# Altium PCB LORAGATEWAY.PcbDoc (part 1 of 2)
Units mil, origin at the board's own origin, x right, y up, seen from the top; angles counter-clockwise.
Board outline 3950 x 2560 mil, 2 copper layers (Top Layer, Bottom Layer); 59 components, 57 nets, 254 pads, 49 vias.
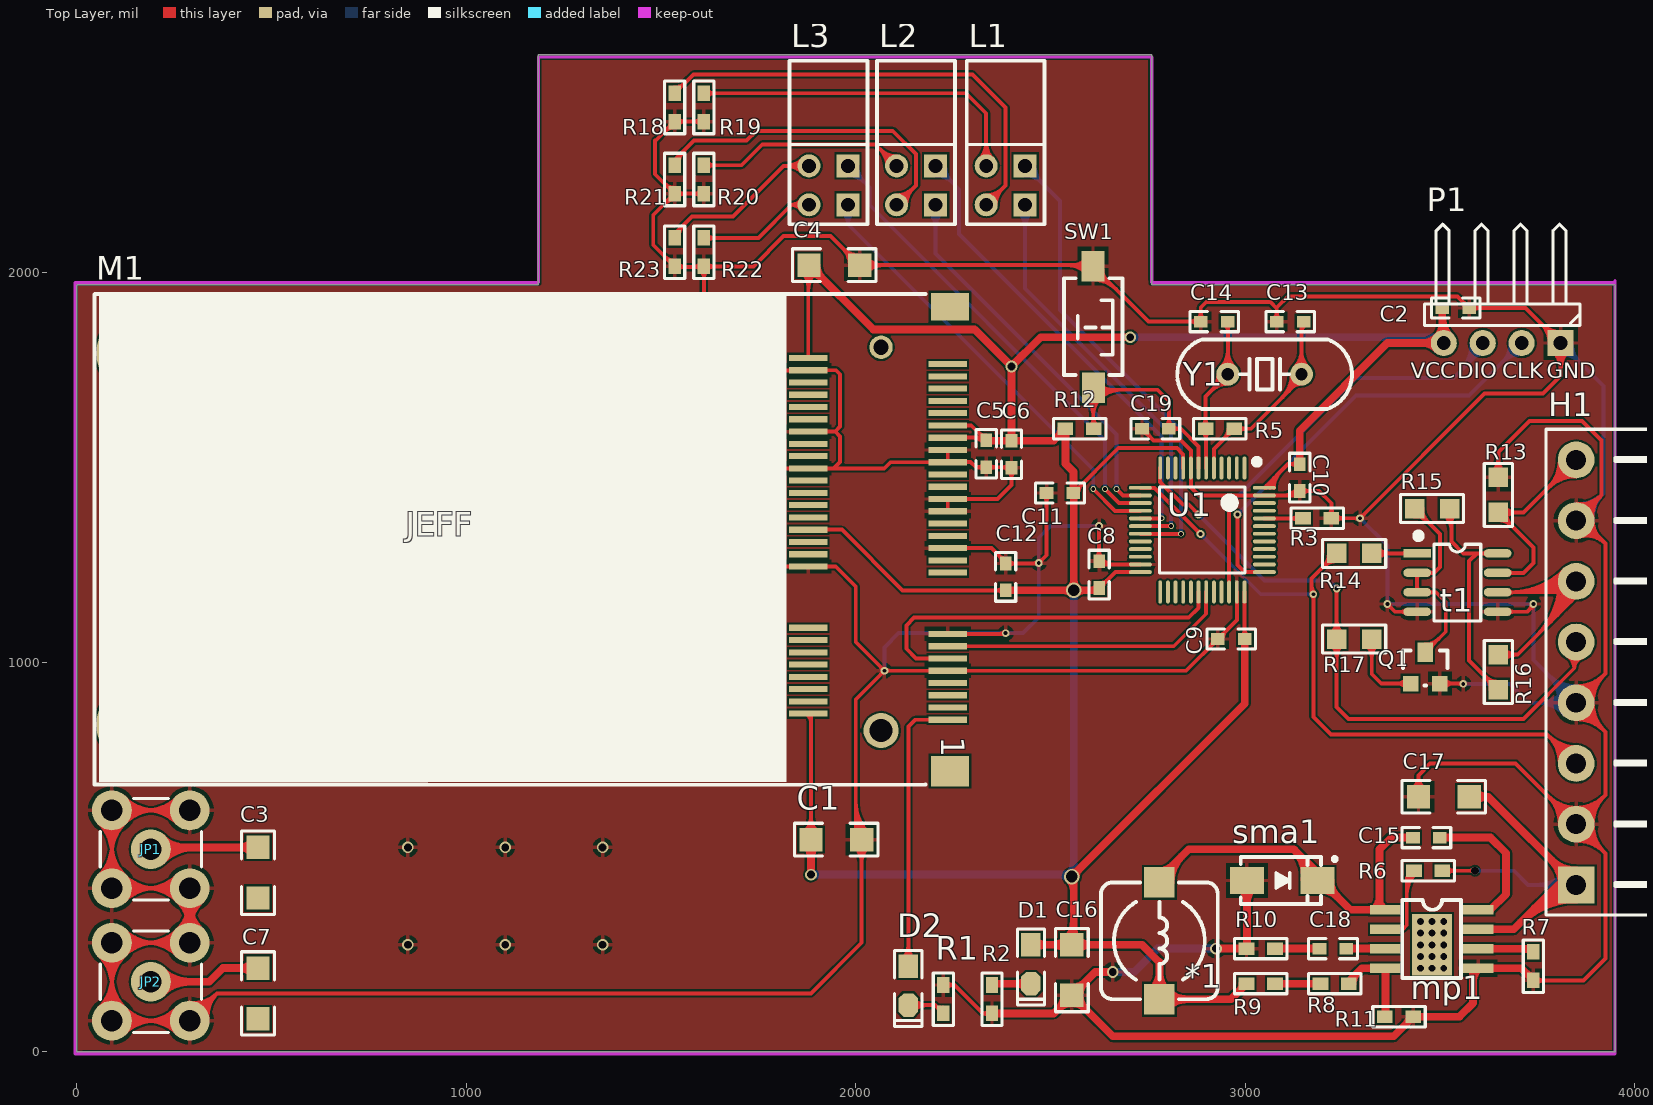
[diagram p0: Top Layer view]
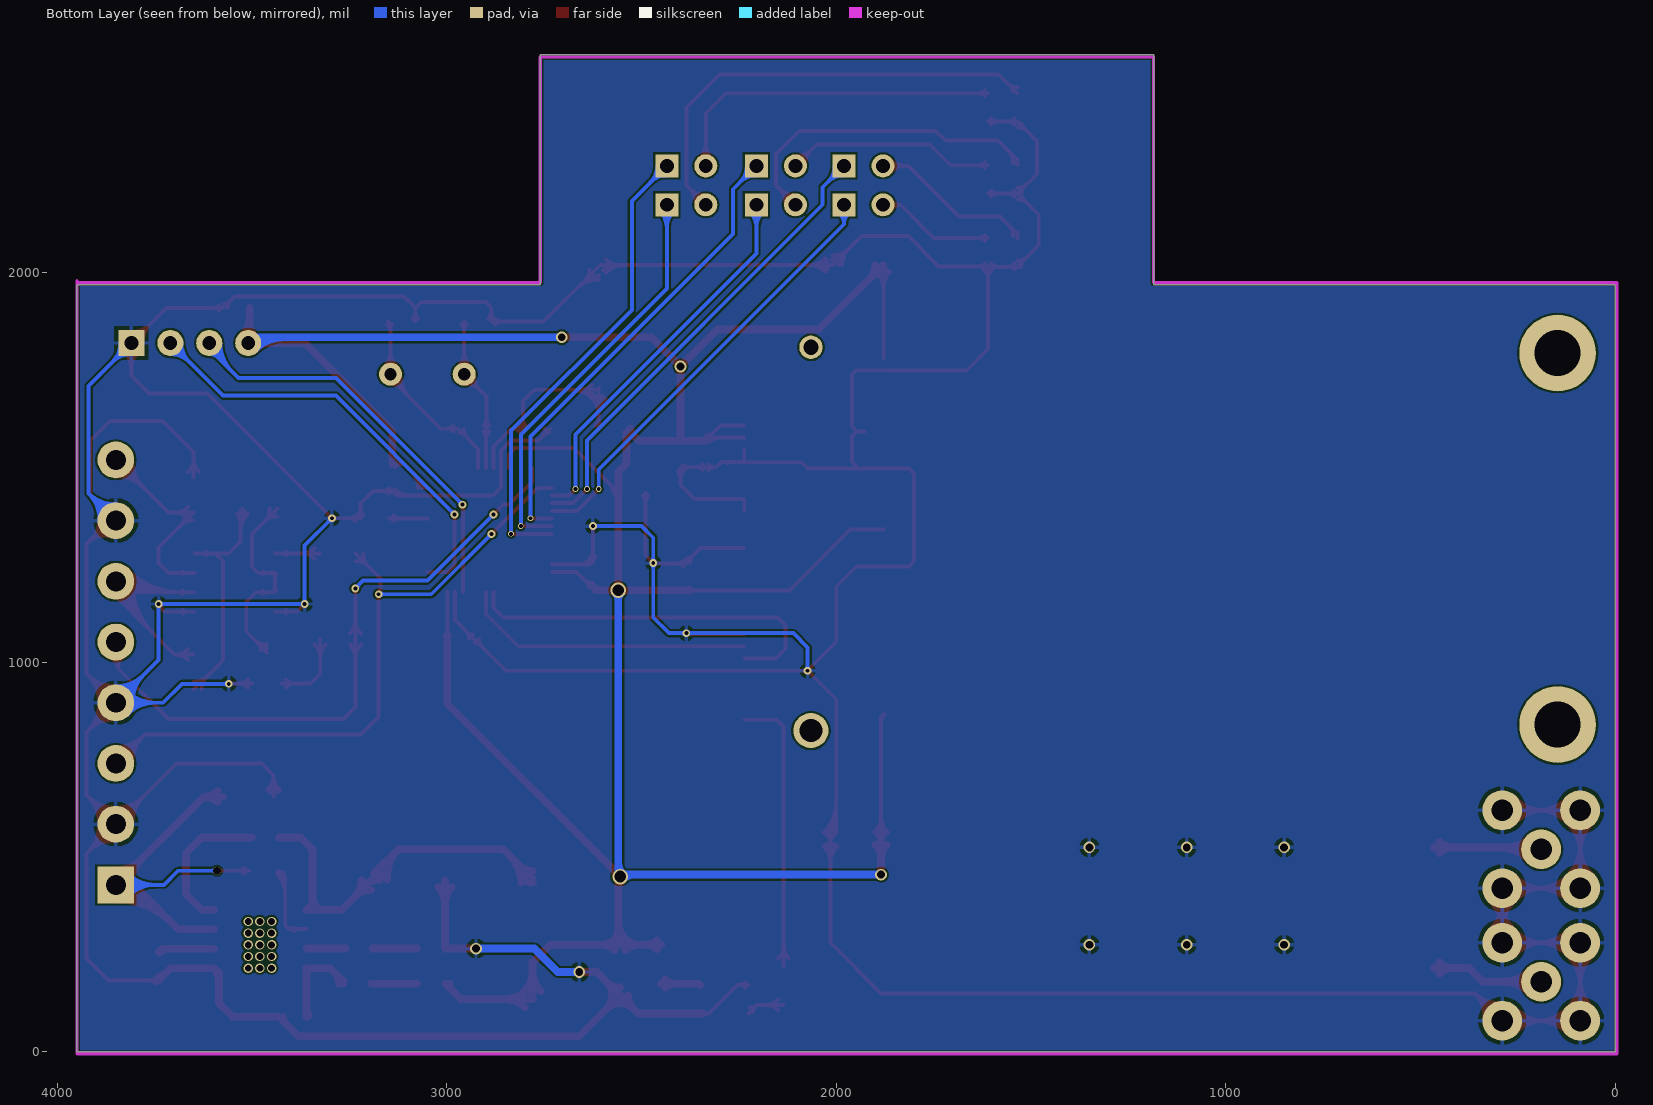
[diagram p1: Bottom Layer view, seen from below]

## Layer stack, top to bottom
Top Layer: signal copper 1.4
Dielectric: dielectric 12.6, FR-4, Dk 4.8
Bottom Layer: signal copper 1.4

## Board outline
0,0 0,1970 1185,1970 1185,2135 1185,2560 2760,2560 2760,1970 3950,1970 3950,0

## Design rules (kind name [scope] priority, off if disabled: settings)
Clearance [All] p1: gap=5
PolygonConnect [All] p1: connectstyle=Relief reliefconductorwidth=10 reliefentries=4 polygonreliefangle="90 Angle" airgapwidth=10
RoutingVias [All] p1: holewidth=28 width=50 viastyle="Through Hole" minholewidth=28 minwidth=50 maxholewidth=28 maxwidth=50
SolderMaskExpansion [All] p1: expansion=4
Width [All] p1: maxlimit=30 minlimit=10 preferedwidth=10
28 further rules are at their usual default settings.

## Components (designator, comment, footprint, x,y, rotation, side; value= is the part's Value field where it differs from the comment)
*1 "10uh" inductance 2790,295 r0 top
C1 "C 224" "C 1206" 1890,545 r90 top
C2 "104,0603" "C 0603" 3540,1910 r180 top
C3 "C 224" "C 1206" 465,400 r180 top
C4 "C 224" "C 1206" 2005,2020 r270 top
C5 "105,0603" "C 0603" 2335,1535 r270 top
C6 "105,0603" "C 0603" 2400,1535 r90 top
C7 "C 224" "C 1206" 465,90 r180 top
C8 "105,0603" "C 0603" 2625,1225 r270 top
C9 "105,0603" "C 0603" 2965,1060 r0 top
C10 "105,0603" "C 0603" 3140,1475 r90 top
C11 "105,0603" "C 0603" 2525,1435 r0 top
C12 "105,0603" "C 0603" 2385,1220 r90 top
C13 "22P,0603" "C 0603" 3115,1875 r180 top
C14 "22P,0603" "C 0603" 2920,1875 r180 top
C15 "C 103" "C 0603" 3465,550 r180 top
C16 "C 224" "C 1206" 2555,150 r180 top
C17 "C 224" "C 1206" 3570,655 r270 top
C18 "C 220pf" "C 0603" 3225,265 r180 top
C19 "105,0603" "C 0603" 2770,1600 r0 top
D1 "LED" "LED 0805G" 2450,225 r270 top
D2 "LED" "LED 0805G" 2135,170 r270 top
H1 "3.55_8" Header_8p 3850,1520 r0 top
JP1 "SMA天线接口" SMA-KE-LI 190,520 r90 top
JP2 "SMA天线接口" SMA-KE-LI 190,180 r90 top
L1 "2led" LED2 2435,2175 r180 top
L2 "2led" LED2 2205,2175 r180 top
L3 "2led" LED2 1980,2175 r180 top
M1 "miniPCIE" PCBComponent_1 2065,825 r270 top
mp1 "M?" mp1584 3475,295 r90 top
P1 "SWD1" HDR-1X4_H 3810,1820 r180 top
Q1 "SS8050" SOT-23 3420,945 r0 top
R1 "510R,0603" "R 0603" 2225,135 r90 top
R2 "510R,0603" "R 0603" 2350,135 r270 top
R3 "10K,0603" "R 0603" 3185,1370 r0 top
R5 "1M0603" "R 0603" 2935,1600 r0 top
R6 "R?" "R 0603" 3470,465 r180 top
R7 "R?" "R 0603" 3740,220 r90 top
R8 "R 20k" "R 0603" 3230,175 r180 top
R9 "R 11k" "R 0603" 3040,175 r180 top
R10 "R 68.1k" "R 0603" 3040,265 r180 top
R11 "R 10k" "R 0603" 3395,90 r180 top
R12 "10K,0603" "R 0603" 2575,1600 r180 top
R13 "4.7K" "R 0805" 3650,1475 r270 bottom
R14 "1K" "R 0805" 3325,1280 r180 bottom
R15 "4.7K" "R 0805" 3435,1395 r0 bottom
R16 "4.7K" "R 0805" 3650,930 r90 bottom
R17 "1K" "R 0805" 3325,1060 r180 bottom
R18 "4.7k" "R 0603" 1535,2425 r270 top
R19 "4.7k" "R 0603" 1610,2425 r270 top
R20 "4.7k" "R 0603" 1610,2240 r90 top
R21 "4.7k" "R 0603" 1535,2240 r90 top
R22 "4.7k" "R 0603" 1610,2053.5 r90 top
R23 "4.7k" "R 0603" 1535,2053.5 r90 top
sma1 "s?" SMA 3185,440 r0 top
SW1 "SW-PB_V" "TSW SMD-3*6*2.5" 2610,1860 r270 top
t1 "sp3485" sp3485 3545,1205 r0 top
U1 "STM32F103C8T6" "TQFP48 7x7_L" 2890,1340 r180 top
Y1 "8M" "XTAL-49S DIP" 3050,1740 r0 top

## Footprints (in the part's own frame and the unit in brackets; to place one, negate y for a bottom-side part, rotate by r counter-clockwise, add the part's x,y. Pads: shape width x height; smd on the part's side, far side on the other; paste and mask are expansions set on the pad)
"C 0603" [mil] "无极性贴片电容"
  rect 35x30 smd: 1(-35,0) 2(34,0)
  silkscreen extent -63,-26 62,26, body extent -31,-16 31,16, height 32
"C 1206" [mil]
  rect 60x60 smd: 1(0,-125) 2(0,5)
  silkscreen extent -42,-167 42,47, body extent -32,-123 32,3, height 48
HDR-1X4_H [mm] "弯脚排针，4脚"
  rect 1.7x1.7 hole 0.9: 1(0,0)
  round 1.7 hole 0.9: 2(2.54,0) 3(5.08,0) 4(7.62,0)
  silkscreen extent -1.27,-7.76 8.89,-1.14, body extent -1.27,-7.77 8.89,1.27, height 4.85
Header_8p [mm]
  rect 2.4x2.4 hole 1.3: 1(0,-27.72)
  round 2.4 hole 1.3: 2(0,-23.76) 3(0,-19.8) 4(0,-15.84) 5(0,-11.88) 6(0,-7.92) 7(0,-3.96) 8(0,0)
  silkscreen extent -1.98,-29.68 9.5,2, body extent -0.5,-29.7 9.5,2.02, height 7.45
inductance [mm]
  rect 2x2 smd: 1(-0.262,3.556) 2(-0.262,-4.064)
  silkscreen extent -4.07,-4.06 3.55,3.56, body extent -3.91,-3.9 3.39,3.4, height 3.65
LED2 [mm]
  rect 1.5x1.5 hole 0.9: 1(0,0) 3(0,-2.54)
  round 1.5 hole 0.9: 2(2.54,0) 4(2.54,-2.54)
  silkscreen extent -1.27,-9.4 3.81,1.27
"LED 0805G" [mil] "绿色0805LED"
  rect 60x50 smd: 1(-50,0)
  oct 60x50 smd: 2(50,0)
  silkscreen extent -90,-35 105,35, body extent -39,-25 39,25, height 32
mp1584 [mm]
  rect 4x2.6 smd: 0(-0.516,-0.127)
  rect 0.6x2 smd: 1(1.77,2.921) 2(0.5,2.921) 3(-0.77,2.921) 4(-2.04,2.921) 5(-2.04,-3.127) 6(-0.77,-3.127) 7(0.5,-3.127) 8(1.77,-3.127)
  silkscreen extent -2.68,-2.02 2.4,1.82, body extent -2.61,-3.1 2.29,2.9, height 1.7
PCBComponent_1 [mm]
  round 1.524 hole 0.991: 0(-25,0)
  round 2.286 hole 1.524: 0(0,0)
  rect 0.4x2.5 smd: 1(-0.7,4.35) 2(-1.1,-4.75) 3(-1.5,4.35) 4(-1.9,-4.75) 5(-2.3,4.35) 6(-2.7,-4.75) 7(-3.1,4.35) 8(-3.5,-4.75) 9(-3.9,4.35) 10(-4.3,-4.75) 11(-4.7,4.35) 12(-5.1,-4.75) 13(-5.5,4.35) 14(-5.9,-4.75) 15(-6.3,4.35) 16(-6.7,-4.75) 17(-10.3,4.35) 18(-10.7,-4.75) 19(-11.1,4.35) 20(-11.5,-4.75) 21(-11.9,4.35) 22(-12.3,-4.75) 23(-12.7,4.35) 24(-13.1,-4.75) 25(-13.5,4.35) 26(-13.9,-4.75) 27(-14.3,4.35) 28(-14.7,-4.75) 29(-15.1,4.35) 30(-15.5,-4.75) 31(-15.9,4.35) 32(-16.3,-4.75) 33(-16.7,4.35) 34(-17.1,-4.75) 35(-17.5,4.35) 36(-17.9,-4.75) 37(-18.3,4.35) 38(-18.7,-4.75) 39(-19.1,4.35) 40(-19.5,-4.75) 41(-19.9,4.35) 42(-20.3,-4.75) 43(-20.7,4.35) 44(-21.1,-4.75) 45(-21.5,4.35) 46(-21.9,-4.75) 47(-22.3,4.35) 48(-22.7,-4.75) 49(-23.1,4.35) 50(-23.5,-4.75) 51(-23.9,4.35) 52(-24.3,-4.75)
  round 5 hole 3: 53(-24.62,-48.7) 54(-0.384,-48.7)
  rect 1.8x2.5 smd: 55(-27.65,4.5)
  rect 2x2.5 smd: 56(2.65,4.5)
  silkscreen extent -28.47,-51.31 3.54,2.91
"R 0603" [mil] "1/10W贴片电阻"
  rect 40x31.5 smd: 1(-36.5,0) 2(36.5,0)
  silkscreen extent -68,-26 68,26, body extent -31,-16 31,16, height 16
"R 0805" [mil]
  rect 50x50 smd far side: 1(90,0) 2(0,0)
  body extent 6,-25 84,25, height 20
SMA [mm]
  rect 2.2x1.75 smd: 1(-4.586,0) 2(0.014,0)
  silkscreen extent -4.99,-1.52 1.27,1.52, body extent -4.81,-1.3 0.29,1.3, height 2.15
SMA-KE-LI [mm] "SMA 立式直插射频天线座"
  round 2.6 hole 1.4 unplated: 1(0,0) 2(-2.54,-2.54) 2(2.54,-2.54) 3(-2.54,2.54) 3(2.54,2.54)
  silkscreen extent -3.3,-3.3 3.3,3.3, body extent -3.63,4.62 2.87,11.12, height 10.35
SOT-23 [mil]
  rect 40x40 smd: 1(4.88,0.63) 2(79.88,0.63)
  rect 40x50 smd: 3(41.88,80.63)
  silkscreen extent -15,-4 100,86, body extent -15,-11 99,99, height 47
sp3485 [mm]
  rect 1.8x0.55 smd: 1(-2.625,1.905)
  oval 1.8x0.55 smd: 2(-2.625,0.635) 3(-2.625,-0.635) 4(-2.625,-1.905) 5(2.625,-1.905) 6(2.625,-0.635) 7(2.625,0.635) 8(2.625,1.905)
  silkscreen extent -2.69,-2.5 1.52,3.2, body extent -3,-2.5 3,2.5, height 1.9
"TQFP48 7x7_L" [mm] "48脚，体宽：7x7mm, 脚距：0.5mm"
  oval 0.25x1.5 smd: 1(-2.75,-4.046) 2(-2.25,-4.046) 3(-1.75,-4.046) 4(-1.25,-4.046) 5(-0.75,-4.046) 6(-0.25,-4.046) 7(0.25,-4.046) 8(0.75,-4.046) 9(1.25,-4.046) 10(1.75,-4.046) 11(2.25,-4.046) 12(2.75,-4.046) 25(2.75,4.046) 26(2.25,4.046) 27(1.75,4.046) 28(1.25,4.046) 29(0.75,4.046) 30(0.25,4.046) 31(-0.25,4.046) 32(-0.75,4.046) 33(-1.25,4.046) 34(-1.75,4.046) 35(-2.25,4.046) 36(-2.75,4.046)
  oval 1.5x0.25 smd: 13(4.046,-2.75) 14(4.046,-2.25) 15(4.046,-1.75) 16(4.046,-1.25) 17(4.046,-0.75) 18(4.046,-0.25) 19(4.046,0.25) 20(4.046,0.75) 21(4.046,1.25) 22(4.046,1.75) 23(4.046,2.25) 24(4.046,2.75) 37(-4.046,2.75) 38(-4.046,2.25) 39(-4.046,1.75) 40(-4.046,1.25) 41(-4.046,0.75) 42(-4.046,0.25) 43(-4.046,-0.25) 44(-4.046,-0.75) 45(-4.046,-1.25) 46(-4.046,-1.75) 47(-4.046,-2.25) 48(-4.046,-2.75)
  silkscreen extent -3.68,-4.57 2.79,2.79, body extent -4.5,-4.5 4.5,4.5, height 1.05
"TSW SMD-3*6*2.5" [mm] "3*6*2.5mm"
  rect 2x1.5 smd: 1(-3.996,-0.02) 2(3.937,0)
  silkscreen extent -3.21,-1.9 3.09,1.9, body extent -4,-1.88 4,1.62, height 2.59
"XTAL-49S DIP" [mm]
  round 1.5 hole 0.8: 1(-2.4,0) 2(2.4,0)
  silkscreen extent -5.7,-2.28 5.7,2.28, body extent -5.68,-2.35 5.68,2.3, height 3.5

## Part data
*1: library part inductance
C1 C3 C4 C7 C16 C17: library part "C 1206"
C2 C5 C6 C8 C9 C10 C11 C12 C13 C14 C19: library part Cap, "Capacitor"
C15 C18: library part "C 0603"
JP1 JP2: library part SMA, "SMA-2.4G射频天线接口"
P1: library part "Header 4", "Header, 4-Pin"
Q1: library part 8050-SMD, "高频放大-NPN型"
R1 R2 R3 R5 R12 R18 R19 R20 R21 R22 R23: library part Res2, "Resistor"
R8 R9 R10 R11: library part "R 0603"
R13 R14 R15 R16 R17: library part "R 0805"
SW1: "SWITCH"
t1: library part transistor
Y1: library part XTAL, "Crystal Oscillator"

## Via types
v1: diameter 24, hole 17.72, Top Layer to Bottom Layer, tented both sides, 15 vias
v2: diameter 20, hole 10, Top Layer to Bottom Layer, 14 vias
v3: diameter 30, hole 20, Top Layer to Bottom Layer, 11 vias
v4: diameter 15, hole 10, Top Layer to Bottom Layer, 6 vias
v5: diameter 40, hole 30, Top Layer to Bottom Layer, 2 vias
v6: diameter 20, hole 20, Top Layer to Bottom Layer, 1 vias

## Nets (pads, with @x,y where several pads share a name; then routed paths per layer and width w, separated by ;. In a path a pad name is that pad's centre, name@x,y a point inside that pad or via, vN(x,y) a via of type N, cw(c..) or ccw(c..) an arc to the next point about the centre after c; other vN are vias at no path point)
A+: H1.6 R16.1 t1.6 | length 1879.6
  Top Layer w10: t1.6@3648.35,1180 3810,1180 ; R16.1@3650,1020 3700,1020 3850,1170 H1.6@3850,1208.19 ; R16.1@3664.14,1005.86 cw(c3698.28,971.72) 3698.28,1020 cw(c3698.28,1068.28) R16.1@3664.14,1034.14 ; t1.6@3677.07,1175.88 cw(c3687.02,1165.93) 3687.02,1180 cw(c3687.02,1194.07) t1.6@3677.07,1184.12 ; t1.6@3679.96,1180 ccw(c3679.96,1378.23) H1.6@3820.13,1238.06 ; 3704.1,1180 ccw(c3704.1,1354.09) H1.6@3827.2,1230.99 ; 3728.24,1180 ccw(c3728.24,1329.95) H1.6@3834.27,1223.92 ; 3750.88,1070.88 ccw(c3613.57,1208.19) H1.6@3807.76,1208.19 ; 3752.39,1180 ccw(c3752.39,1305.8) H1.6@3841.34,1216.85 ; 3767.95,1087.95 ccw(c3647.72,1208.19) H1.6@3817.76,1208.19 ; 3776.53,1180 ccw(c3776.53,1281.66) H1.6@3848.41,1209.78 ; 3785.02,1105.02 ccw(c3681.86,1208.19) H1.6@3827.76,1208.19 ; 3800.67,1180 ccw(c3800.67,1257.52) H1.6@3855.48,1202.7 ; 3802.09,1122.09 ccw(c3716,1208.19) H1.6@3837.76,1208.19 ; H1.6@3811.78,1190.2 cw(c3803.64,1186.36) 3810,1180 ; 3819.17,1139.17 ccw(c3750.14,1208.19) H1.6@3847.76,1208.19 ; H1.6@3830,1200 3810,1180 ; 3836.24,1156.24 ccw(c3784.28,1208.19) H1.6@3857.76,1208.19
B-: H1.8 R13.1 t1.7 | length 1065.8
  Top Layer w10: t1.7@3648.35,1230 3715,1230 3740,1255 3740,1295 R13.1@3650,1385 3715,1385 H1.8@3850,1520 ; R13.1@3650,1365 cw(c3650,1316.72) 3684.14,1350.86 cw(c3718.28,1385) R13.1@3670,1385 ; R13.1@3664.14,1370.86 cw(c3698.28,1336.72) 3698.28,1385 cw(c3698.28,1433.28) R13.1@3664.14,1399.14 ; t1.7@3677.07,1225.88 cw(c3687.02,1215.93) 3687.02,1230 cw(c3687.02,1244.07) t1.7@3677.07,1234.12 ; H1.8@3807.76,1520 cw(c3705.77,1520) 3777.88,1447.88 cw(c3850,1375.77) H1.8@3850,1477.76 ; H1.8@3817.76,1520 cw(c3739.91,1520) 3794.96,1464.96 cw(c3850,1409.91) H1.8@3850,1487.76 ; H1.8@3827.76,1520 cw(c3774.05,1520) 3812.03,1482.03 cw(c3850,1444.05) H1.8@3850,1497.76
BOOT0: R3.1 U1.44 | length 140.2
  Top Layer w10: U1.44@3049.29,1369.53 3148.03,1369.53 R3.1@3148.5,1370 ; 3117.16,1369.53 ccw(c3117.16,1397.09) R3.1@3136.65,1377.6 ; 3119.44,1369.53 cw(c3119.44,1345.19) R3.1@3136.65,1362.4
BOOT1: U1.20